# Altium PCB DCAC_V2b.PcbDoc (part 3 of 7) (continued)
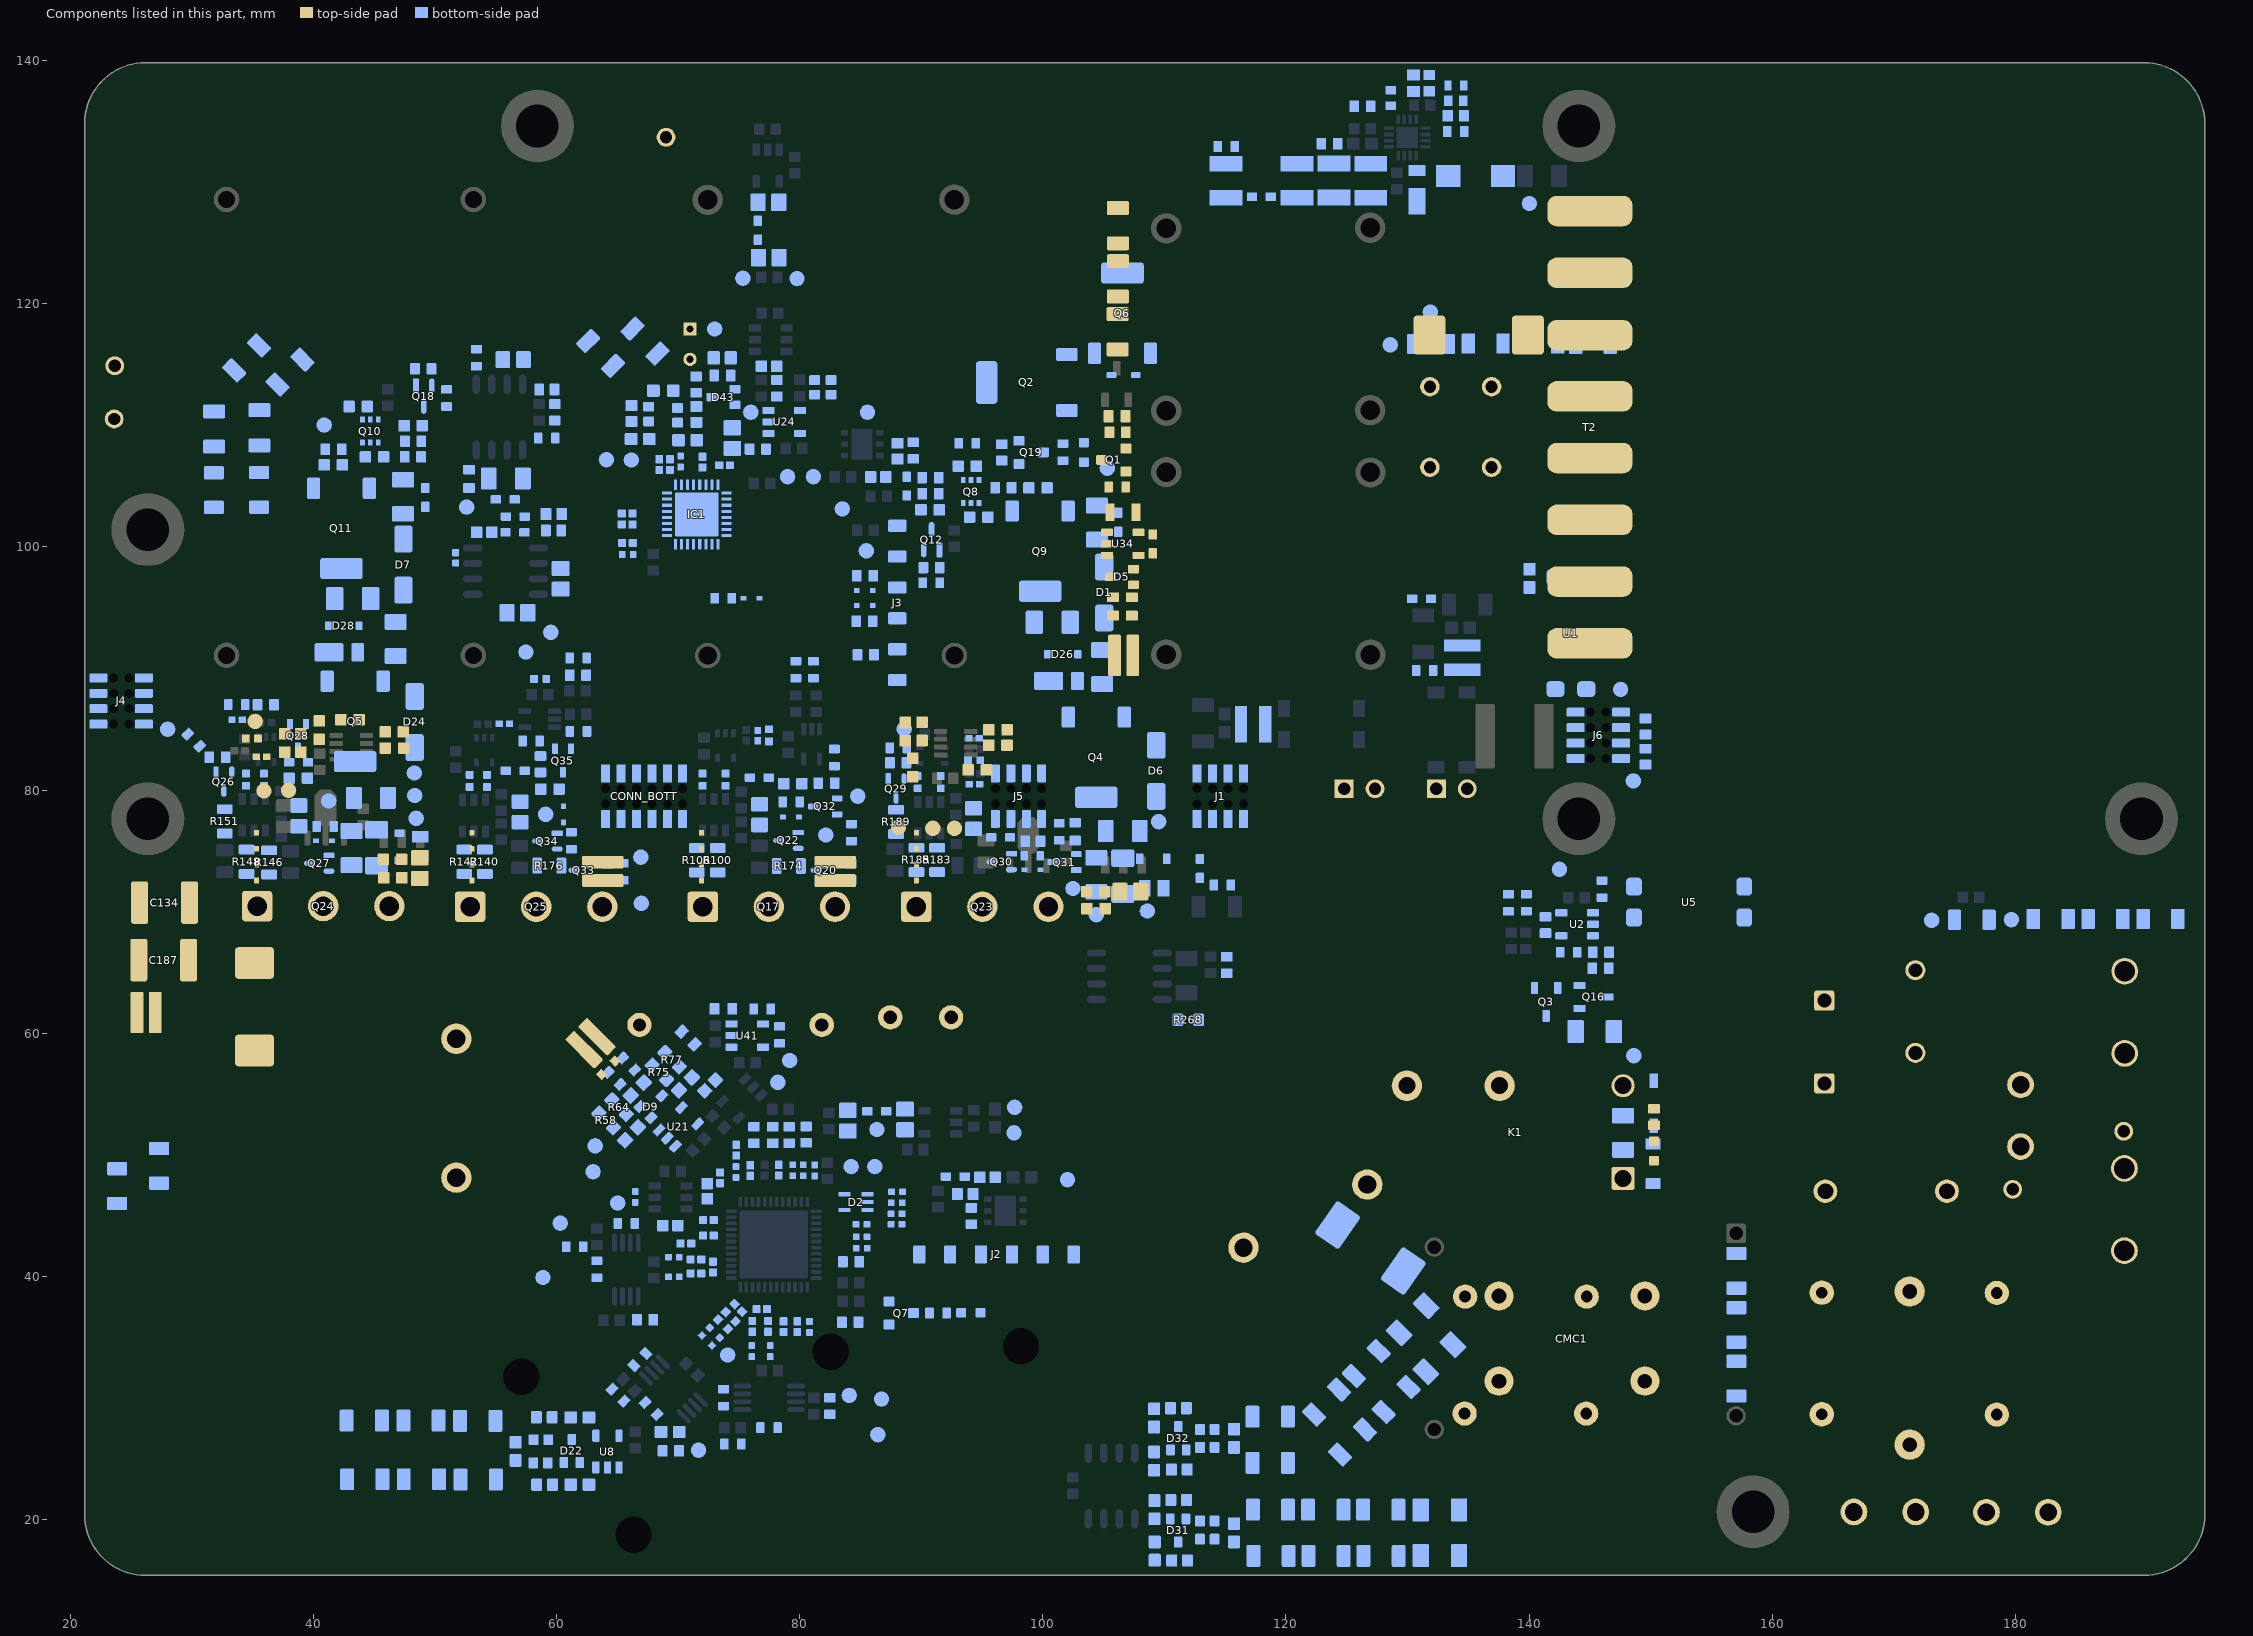
[diagram p5: the components of this part, seen from the top]
## Part data (continued)
L2 L3: library part INDC_150n_1008, "Inductor SMD chip 150nH 1008", Manufacturer 1="TDK Corporation", Manufacturer Part Number 1=NLV25T-R15J-PF, Package / Case="1008 (2520 Metric)", Ratings="500 mA", Supplier Part Number 1=445-1715-1-ND, Tolerance=±5%, SCDType=spec, Supplier 1=Digi-Key
L5 L6: library part CMP-08253-000028-1, "INDUCTORS FOR POWER CIRCUITS, AU"
L7: library part PA4340.333NLT, "Inductor", Manufacturer_Name=Pulse, Mouser Part Number=673-PA4340.333NLT, Arrow Part Number=PA4340.333NLT, Arrow Price/Stock=https://www.arrow.com/en/products/pa4340.333nlt/pulse-electronics-corporation, Datasheet Link=https://www.mouser.com/datasheet/2/336/P767-1526961.pdf, Height=3mm, Manufacturer_Part_Number=PA4340.333NLT, Mouser Price/Stock=https://www.mouser.co.uk/ProductDetail/Pulse-Electronics/PA4340333NLT?qs=%2FzQKu7YvIMbqQ2GtBitM%252Bg%3D%3D
LED2 LED3: library part CMP-1426-00005-1, "SMD mono-color Chip LED, WL-SMCW, Yellow", Case Code (Imperial)=0603, Case Code (Metric)=1608, Color=Yellow, Forward Current=30mA, Forward Voltage=2V, Manufacturer="Wuerth Elektronik", Max Operating Temperature=85°C, Min Operating Temperature=-40°C, Package Quantity=4000, Supplier Part Number 1=732-4981-1-ND, Test Current=20mA, Case/Package=0603, Category=LEDs, ComponentLink1Description="Manufacturer URL", ComponentLink1URL=http://www.we-online.com, ComponentLink2Description=Datasheet, ComponentLink2URL=http://katalog.we-online.com/led/datasheet/150060YS75000.pdf, ComponentLink3Description=https://datasheet.ciiva.com/23843/150060ys75000-23843250.pdf?src-supplier=Newark, ComponentLink3URL=https://datasheet.ciiva.com/23843/150060ys75000-23843250.pdf?src-supplier=Newark, ComponentLink4Description=https://datasheet.ciiva.com/29279/759432-da-01-en-chipled-0603-w-kl-gelb-150060ys75000-29279206.pdf?src-supplier=Conrad, ComponentLink4URL=https://datasheet.ciiva.com/29279/759432-da-01-en-chipled-0603-w-kl-gelb-150060ys75000-29279206.pdf?src-supplier=Conrad, ComponentLink5Description=https://datasheet.ciiva.com/29563/150060ys75000-29563045.pdf?src-supplier=Digi-Key, ComponentLink5URL=https://datasheet.ciiva.com/29563/150060ys75000-29563045.pdf?src-supplier=Digi-Key, ComponentLink6Description=https://datasheet.ciiva.com/22656/1911348-22656951.pdf?src-supplier=Element14, ComponentLink6URL=https://datasheet.ciiva.com/22656/1911348-22656951.pdf?src-supplier=Element14, ComponentLink7Description=https://datasheet.ciiva.com/29563/150060ys75000-29563033.pdf?src-supplier=Digi-Key, ComponentLink7URL=https://datasheet.ciiva.com/29563/150060ys75000-29563033.pdf?src-supplier=Digi-Key, ComponentLink8Description=https://datasheet.ciiva.com/48430/150060ys75000-eng-tds-48430044.pdf?src-supplier=Distrelec, ComponentLink8URL=https://datasheet.ciiva.com/48430/150060ys75000-eng-tds-48430044.pdf?src-supplier=Distrelec, Dominant Wavelength=590nm, Height=0.7mm, Length=1.6mm, Lens Style=Clear,Rectangular, Luminous Intensity=120mcd, Manufacturer Part Number=150060YS75000, Mount="Surface Mount", PackageReference=0603_A, Packaging="Tape and Reel", PartNumber=150060YS75000, Pricing 1="1=0.14000, 50=0.13300, 100=0.11400, 500=0.09900 (USD)", REACH SVHC=Unknown, RoHS=Yes, Stock 1=139, Supplier 1=Digi-Key, Viewing Angle=140°, Wavelength=590nm, Width=0.8mm
NTC4: library part CMP-06022-001050-1, "Thermistor NTC 10kΩ ±1% 2-Pin Radial Bulk", Max Operating Temperature=125°C, Max Power Dissipation=7.5mW, Min Operating Temperature=-40°C, Package Quantity=500, Resistance=10kR, Resistance Tolerance=1%, Height=2mm, Lead Diameter=0.4mm, Lead Free="Lead Free", Lead Pitch=2.5mm, Length=5mm, Mount="Through Hole", Number of Pins=2, Packaging=Bulk, Power Rating=7.5mW, RoHS Compliant=Yes, Series=NXR, Termination=Radial, Tolerance=1%, Width=4mm
NTC5: library part CMP-06022-000443-2, "THERMISTOR NTC", Case Code (Imperial)=0603, Case Code (Metric)=1608, Max Operating Temperature=125°C, Min Operating Temperature=-40°C, Case/Package=0603, REACH SVHC="No SVHC", RoHS Compliant=Yes
PT_SEC1 PT_SEC2: library part CMP-1024-00320-1, "0.025\" SQ Post Header, Through-hole, Right Angle, -55 to 125 degC, 2.54 mm Pitch, 2-Pin, Male, RoHS", Manufacturer=Samtec, Temperature Range="-55 to 125 degC", ComponentLink1Description="Manufacturer URL", ComponentLink1URL=http://www.samtec.com, ComponentLink2Description=Datasheet, ComponentLink2URL=http://www.samtec.com/documents/webfiles/pdf/TSW_TH.PDF, ComponentLink3Description="Package Specification", ComponentLink3URL=http://www.samtec.com/documents/webfiles/cpdf/TSW-XXX-XX-XXX-X-XX-XXX-MKT.pdf, DatasheetVersion=F-214, Mounting Technology=Through-hole, Orientation="Right Angle", PackageDescription=".025[0.64] SQ. Post Terminal Strip Assembly", PackageReference=TSW-102-08-X-S-RA, PackageVersion="DM, 8/1988", PartNumber=TSW-102-08-G-S-RA, Pitch="2.54 mm", RoHS=True
Q1: library part CMP-1048-00631-1, "General Purpose Transistor, NPN Silicon, 3-Pin SOT-23, Pb-Free, Tape and Reel", Manufacturer="On Semiconductor", ComponentLink1Description="Manufacturer URL", ComponentLink1URL=http://www.onsemi.com/, ComponentLink2Description=Datasheet, ComponentLink2URL=http://www.onsemi.cn/pub_link/Collateral/MMBT3904LT1-D.PDF, ComponentLink3Description="Package Specification", ComponentLink3URL=http://www.onsemi.cn/pub_link/Collateral/318-08.PDF, DatasheetVersion="Rev. 12", fT Min (MHz)=300, IC Continuous (A)=0.2, Mounting Technology="Surface Mount", PackageDescription="3-Pin Small Outline Transistor, Body 2.92 x 1.3 mm, Pitch 0.95 mm", PackageReference=SOT-23-3-318-08, PackageVersion="Rev. AP, 11/2009", Packing="Tape and Reel", PartNumber=MMBT3904LT1G, Polarity=NPN, RoHS=TRUE
Q2 Q6: library part ONSC-PNP-B1C2E3C4-4, "High Voltage Transistor, PNP Silicon, 4-Pin SOT-223, Tape and Reel", Manufacturer="On Semiconductor", ComponentLink1Description="Manufacturer URL", ComponentLink1URL=http://www.onsemi.com/, ComponentLink2Description=Datasheet, ComponentLink2URL=http://www.onsemi.com/pub_link/Collateral/PZTA92T1-D.PDF, ComponentLink3Description="Package Specification", ComponentLink3URL=http://www.onsemi.com/pub_link/Collateral/318E-04.PDF, DatasheetVersion="Rev. 10", fT Min (MHz)=50, IC Continuous (A)=-0.5, Mounting Technology="Surface Mount", PackageDescription="4-Pin Small Outline Transistor, Body 6.5 x 3.5 mm, Pitch 2.3 mm", PackageReference=SOT-223-4-318E-04, PackageVersion="Rev. N, 08/2009", Packing="Tape and Reel", PartNumber=PZTA92T1, Polarity=PNP, RoHS=FALSE
Q3: library part CMP-0434-00001-1, "N-Channel Enhancement Mode Field Effect Transistor, 60 V, 0.115 A, -55 to 150 degC, 3-Pin SOT23, RoHS, Tape and Reel", JLCPCB Part #=C8545, Manufacturer=STMicroelectronics, ComponentLink1Description="Manufacturer URL", ComponentLink1URL=http://www.st.com/, ComponentLink2Description=Datasheet, ComponentLink2URL=http://www.st.com/st-web-ui/static/active/en/resource/technical/document/datasheet/CD00005134.pdf, DatasheetVersion="Rev. 9, 11/2008", Mounting Technology="Surface Mount", PackageDescription="3-Pin SOT23, 3.016 x 2.8 mm Body, 0.95 mm Pitch", PackageReference=SOT-23, PartNumber=2N7002
Q4 Q5 Q9 Q11: library part "NXP MOSFET N-CH SOT-223", "CoolMOS P7 Power Transistor MOSFET 700V 3A 3-Pin PG-SOT223 T/R", Case/Package=SOT-223, Manufacturer=Infineon, Manufacturer Part Number=IPN70R2K0P7SATMA1, Max Operating Temperature=150°C, Min Operating Temperature=-40°C, Supplier Part Number 1=IPN70R2K0P7SATMA1CT-ND, Category="Power Management ICs", ComponentLink1Description=https://www.infineon.com/dgdl/Infineon-IPN70R2K0P7S-DS-v02_00-EN.pdf?fileId=5546d4625f2e26bc015f526712fe6b76&src-supplier=Digi-Key, ComponentLink1URL=https://www.infineon.com/dgdl/Infineon-IPN70R2K0P7S-DS-v02_00-EN.pdf?fileId=5546d4625f2e26bc015f526712fe6b76&src-supplier=Digi-Key, Drain to Source Voltage (Vdss)=700V, Halogen Free="Halogen Free", Lead Free="Contains Lead", Max Dual Supply Voltage=700V, Mount="Surface Mount", Pricing 1="1=0.51000, 10=0.44000, 25=0.41080, 100=0.30520, 500=0.23832, 1000=0.19371 (USD)", RoHS=No, Stock 1=2627, Supplier 1=Digi-Key
Q7 Q19: library part NEMOS-GSD-3, "N-Channel Enhancement Mode Field Effect Transistor, 60 V, 0.115 A, -55 to 150 degC, 3-Pin SOT23, RoHS, Tape and Reel", Id - Continuous Drain Current=115mA, JLCPCB Part #=C8545, Manufacturer=DiodesIncorporated, Maximum Operating Temperature=+150C, Minimum Operating Temperature=-55C, Package / Case=SOT-23-3, Package Description="3-Pin Small Outline Transistor, Body 2.9 x 1.3 mm, Pitch 0.96 mm", Package Reference=SOT23-3, Pd - Power Dissipation=300mW, Rds On - Drain-Source Resistance=7.5Ohms, Vds - Drain-Source Breakdown Voltage=70V, Vgs - Gate-Source Voltage=20V, Brand=DiodesIncorporated, Channel Mode=Enhancement, Configuration=Single, Datasheet URL=http://datasheet.octopart.com/2N7002-7-F-Diodes-Inc.-datasheet-8326113.pdf, Datasheet Version="Rev. 21-2, 02/2009", Factory Pack Quantity=3000, Fall Time=5.6ns, Forward Transconductance - Min=0.08S, Height=1mm, Length=2.9mm, Manufacturer URL=http://www.diodes.com/, Mounting Style=SMD/SMT, Number of Channels=1Channel, Packaging=Reel, Product=MOSFETSmallSignal, Product Category=MOSFET, Rise Time=3ns, RoHS=True, Series=2N7002, Technology=Si, Transistor Polarity=N-Channel, Transistor Type=1N-Channel, Type=EnhancementModeFieldEffectTransistor, Typical Turn-Off Delay Time=11ns, Typical Turn-On Delay Time=7ns, Unit Weight=0.000282oz, Width=1.3mm
Q8 Q10: library part CMP-1048-00392-1, "Complementary General Purpose Transistors, 6-Pin SC70, Pb-Free, Tape and Reel", Manufacturer="On Semiconductor", ComponentLink1Description="Manufacturer URL", ComponentLink1URL=http://www.onsemi.com/, ComponentLink2Description=Datasheet, ComponentLink2URL=http://www.onsemi.com/pub_link/Collateral/MBT3946DW1T1-D.PDF, ComponentLink3Description="Package Specification", ComponentLink3URL=http://www.onsemi.com/pub_link/Collateral/SMF05C-D.PDF, DatasheetVersion="Rev. 7", IC Continuous (A)=0.2, Mounting Technology="Surface Mount", PackageDescription="6-Pin Small Outline Transistor, Body 2 x 1.25 mm, Pitch 0.65 mm", PackageReference=SC70-6-419B-02_W, PackageVersion="Rev. W", Packing="Tape and Reel", PartNumber=MBT3946DW1T2G, Polarity=Complementary, RoHS=TRUE
Q12 Q18 Q20 Q22 Q26 Q27 Q29 Q30 Q33 Q34: library part CMP-2000-05568-2, "MOSFET N-CH 60V 115MA SOT323", Case/Package=SOT-323, Continuous Drain Current (ID)=115mA, Drain to Source Breakdown Voltage=70V, Drain to Source Resistance=2.6R, Drain to Source Voltage (Vdss)=60V, Gate to Source Voltage (Vgs)=20V, Input Capacitance=50pF, Max Operating Temperature=150°C, Max Power Dissipation=200mW, Min Operating Temperature=-55°C, On-State Resistance=7.5R, Package Quantity=1, Threshold Voltage=2V, Contact Plating=Tin, Current Rating=115mA, Dual Supply Voltage=60V, Element Configuration=Single, Height=1mm, Lead Free="Lead Free", Length=2.2mm, Mount="Surface Mount", Nominal Vgs=2V, Number of Channels=1, Number of Elements=1, Number of Pins=3, Packaging="Tape and Reel", Power Dissipation=200mW, Radiation Hardening=No, Rds On Max=7.5R, REACH SVHC="No SVHC", Termination=SMD/SMT, Turn-Off Delay Time=11ns, Turn-On Delay Time=7ns, Voltage Rating (DC)=60V, Weight=0.000212oz, Width=1.35mm
Q16: library part STM-NEMOS-G1S2D3-3, "N-Channel Enhancement Mode Field Effect Transistor, 60 V, 0.115 A, -55 to 150 degC, 3-Pin SOT23, RoHS, Tape and Reel", JLCPCB Part #=C8545, Manufacturer=STMicroelectronics, ComponentLink1Description="Manufacturer URL", ComponentLink1URL=http://www.st.com/, ComponentLink2Description=Datasheet, ComponentLink2URL=http://www.st.com/st-web-ui/static/active/en/resource/technical/document/datasheet/CD00005134.pdf, DatasheetVersion="Rev. 9, 11/2008", Mounting Technology="Surface Mount", PackageDescription="3-Pin SOT23, 3.016 x 2.8 mm Body, 0.95 mm Pitch", PackageReference=SOT-23, PartNumber=2N7002
Q17 Q23: library part CMP-1166-00047-1, "600 V IGBT in TrenchStop and Fieldstop Technology with Soft, Fast Recovery Anti-Parallel EmCon HE Diode, 80 A IC, -40 to 175 degC, PG-TO247-3, Tube, Green", Case/Package=TO-247, Collector Emitter Breakdown Voltage=650V, Manufacturer=Infineon, Manufacturer Part Number=IKW30N65EL5XKSA1, Max Collector Current=85A, Max Operating Temperature=175°C, Max Power Dissipation=227W, Min Operating Temperature=-40°C, Supplier Part Number 1=IKW30N65EL5XKSA1IN-ND, Switching Frequency=50Hz, Collector Emitter Voltage (VCEO)=650V, ComponentLink1Description=http://www.mouser.com/ds/2/196/Infineon-IKW30N65EL5-DS-v02_01-EN-534334.pdf?src-supplier=Mouser, ComponentLink1URL=http://www.mouser.com/ds/2/196/Infineon-IKW30N65EL5-DS-v02_01-EN-534334.pdf?src-supplier=Mouser, ComponentLink2Description=http://www.infineon.com/dgdl/Infineon-IKW30N65EL5-DS-v02_01-EN.pdf?fileId=5546d4624b0b249c014b11cd5d3c3acb&src-supplier=Digi-Key, ComponentLink2URL=http://www.infineon.com/dgdl/Infineon-IKW30N65EL5-DS-v02_01-EN.pdf?fileId=5546d4624b0b249c014b11cd5d3c3acb&src-supplier=Digi-Key, ComponentLink3Description=http://www.infineon.com/dgdl/Infineon-IKW30N65EL5-DS-v02_01-EN.pdf?fileId=5546d4624b0b249c014b11cd5d3c3acb&src-supplier=Avnet, ComponentLink3URL=http://www.infineon.com/dgdl/Infineon-IKW30N65EL5-DS-v02_01-EN.pdf?fileId=5546d4624b0b249c014b11cd5d3c3acb&src-supplier=Avnet, Element Configuration=Single, Halogen Free="Halogen Free", Lead Free="Lead Free", Mount="Through Hole", Number of Pins=3, Packaging=Rail/Tube, Pricing 1="1=5,78000, 10=5,19000, 100=4,25220, 500=3,61986, 1000=3,05290 (USD)", Reverse Recovery Time=100ns, RoHS=Yes, Stock 1=503, Supplier 1=Digi-Key
Q24 Q25: library part CMP-2000-06042-1, "Silicon Carbide Power MOSFET C2M(TM) MOSFET Technology, 1200 V, 90 A, -55 to 150 degC, 3-Pin TO-247, RoHS, Tube", Id - Continuous Drain Current=90A, Manufacturer=Cree,Inc., Maximum Operating Temperature=+150C, Minimum Operating Temperature=-55C, Package / Case=TO-247-3, Package Description="3-Pin Flange Mount, Vertical Straight Lead, Body 15.94 x 5.02 mm, Pitch 5.44 mm", Pd - Power Dissipation=463W, Rds On - Drain-Source Resistance=25mOhms, Vds - Drain-Source Breakdown Voltage=1200V, Vgs - Gate-Source Voltage=-10V,+25V, Vgs th - Gate-Source Threshold Voltage=2.4V, Brand=Cree,Inc., Channel Mode=Enhancement, Configuration=Single, Datasheet URL=http://www.wolfspeed.com/media/downloads/161/C2M0025120D.pdf, Datasheet Version="Rev. B, 10/2015", Factory Pack Quantity=30, Fall Time=28.4ns, Forward Transconductance - Min=23.6S, Height=21.1mm, Id=90A, Length=5.21mm, Manufacturer URL=http://www.cree.com/, Mounting Style=ThroughHole, Mounting Technology=ThroughHole, Number of Channels=1Channel, Package Reference=TO-247-3, Packaging=Tube, Product=PowerMOSFET, Product Category=MOSFET, Qg - Gate Charge=406nC, RDS(on)=0.025Ohm, Rise Time=31.6ns, RoHS=True, Technology=SiC, Transistor Polarity=N-Channel, Transistor Type=1N-Channel, Trr=32ns, Type=SiliconCarbidePowerMOSFET, Typical Turn-Off Delay Time=28.8ns, Typical Turn-On Delay Time=14.4ns, Unit Weight=1.340411oz, Vdss=1200V, Vgss=20V, Vth=2.6V, Width=16.13mm
Q28 Q31 Q32 Q35: library part CMP-1259-00109-1, "N-Channel Trench MOSFET, 60 V, 0.32 A, -55 to 150 degC, 3-Pin SOT323, Tape and Reel", Manufacturer="NXP Semiconductors", PartNumber=BSS138PW,115, Automotive Qualified=Y, Channel Type=N, Code_JEITA=SC-70, ComponentLink1Description="Manufacturer URL", ComponentLink1URL=http://www.nxp.com/, ComponentLink2Description=Datasheet, ComponentLink2URL=http://www.nxp.com/documents/data_sheet/BSS138PW.pdf, ComponentLink3Description="Package Specification", ComponentLink3URL=http://www.nxp.com/documents/outline_drawing/sot323_po.pdf, DatasheetVersion="Rev. 1", ID [max] (A)=0.32, IDM [max] (A)=1.2, Mounting Technology="Surface Mount", PackageDescription="3-Pin Small Outline Transistor Package, Body 2 x 1.25 mm, Pitch 0.65 mm", PackageReference=SOT323, PackageVersion="06-03-16, 03/2006", Packing="Tape & Reel", VDS [max] (V)=60, VGSth [typ] (V)=1.2
R1: library part CMP-2100-03667-1, "±1% 0Ω 0.1W 0603 Chip Resistor - Surface Mount ROHS", Case Code (Imperial)=0603, Case Code (Metric)=1608, JLCPCB Part #=C21189, Manufacturer=Yageo, Manufacturer Part Number=RC0603JR-070RL, Max Operating Temperature=155degC, Max Power Dissipation=100mW, Min Operating Temperature=-55degC, Package Description="2-Pin Surface Mount Device, Body 1.6 x 0.8 mm", Package Quantity=5000, Resistance=0mOhm, Resistance Tolerance=5%, Resistor Type="Thick Film", Supplier Part Number 1=311-0.0GRCT-ND, Temperature coefficient=200ppm/degreesC, Voltage Rating=50V, Case/Package=0603, Category="Chip SMD Resistors", ComponentLink1Description=https://datasheet.ciiva.com/11808/pyu-r-int-6-11808700.pdf?src-supplier=RSComponents, ComponentLink1URL=https://datasheet.ciiva.com/11808/pyu-r-int-6-11808700.pdf?src-supplier=RSComponents, ComponentLink2Description=https://datasheet.ciiva.com/22747/443971-22747530.pdf?src-supplier=Element14, ComponentLink2URL=https://datasheet.ciiva.com/22747/443971-22747530.pdf?src-supplier=Element14, ComponentLink3Description=https://datasheet.ciiva.com/12555/rc0603-272842-12555254.pdf?src-supplier=Mouser, ComponentLink3URL=https://datasheet.ciiva.com/12555/rc0603-272842-12555254.pdf?src-supplier=Mouser, ComponentLink4Description=https://datasheet.ciiva.com/7746/1738695-7746421.pdf?src-supplier=Element14, ComponentLink4URL=https://datasheet.ciiva.com/7746/1738695-7746421.pdf?src-supplier=Element14, ComponentLink5Description=https://datasheet.ciiva.com/7746/1738695-7746422.pdf?src-supplier=Element14, ComponentLink5URL=https://datasheet.ciiva.com/7746/1738695-7746422.pdf?src-supplier=Element14, ComponentLink6Description=https://datasheet.ciiva.com/8883/pyu-rc0603-51-rohs-l-4-8883045.pdf?src-supplier=Avnet, ComponentLink6URL=https://datasheet.ciiva.com/8883/pyu-rc0603-51-rohs-l-4-8883045.pdf?src-supplier=Avnet, ComponentLink7Description=https://datasheet.ciiva.com/15189/getdatasheetpartid-329462-15189845.pdf?src-supplier=Verical, ComponentLink7URL=https://datasheet.ciiva.com/15189/getdatasheetpartid-329462-15189845.pdf?src-supplier=Verical, Composition=ThickFilm, Construction=Rectangular, Contact Plating=Tin, Datasheet URL=http://www.yageo.com/NewPortal/yageodocoutput?fileName=/pdf/R-Chip/PYu-RC_Group_51_RoHS_L_5.pdf, Datasheet Version="Rev. 5, 10/2016", Depth=0.8mm, Features="Moisture Resistant", Height=0.45mm, Lead Free=LeadFree, Length=1.6mm, Manufacturer URL=http://www.yageo.com/, Military Standard=Not, Number of Pins=2, Number of Terminations=2, Package Reference=0603, Packaging=TapeandReel, Power Rating=100mW, Pricing 1="1=0.10000, 10=0.01700, 25=0.01240, 50=0.00940, 100=0.00700, 250=0.00532, 500=0.00424, 1000=0.00313 (USD)", Radiation Hardening=No, REACH SVHC=NoSVHC, RoHS=Yes, RoHS Compliant=Yes, RoHSCompliant=true, Series=RC, Size Code=0603, Stock 1=4763183, Supplier 1=Digi-Key, Technology="THICK FILM", Termination=SMD/SMT, Tolerance=5%, Voltage Rating (DC)=50V, Width=0.8mm
R2: library part CMP-2003-00835-1, "±1% 100kΩ ±100ppm/℃ 0.25W 1206 Chip Resistor - Surface Mount ROHS", Case Code (Imperial)=1206, Case Code (Metric)=3216, Manufacturer=Panasonic, Manufacturer Part Number=ERJ-8ENF3302V, Max Operating Temperature=155°C, Max Power Dissipation=250mW, Min Operating Temperature=-55°C, Part Number=ERJ8ENF3302V, Resistance=33kR, Resistance Tolerance=1%, Resistor Type="Thick Film", Supplier Part Number 1=73AC7929, Temperature coefficient=100ppm/°C, Voltage Rating=200V, Case/Package=1206, Category="Chip SMD Resistors", ComponentLink1Description=https://datasheet.ciiva.com/7802/1678782-7802698.pdf?src-supplier=Element14, ComponentLink1URL=https://datasheet.ciiva.com/7802/1678782-7802698.pdf?src-supplier=Element14, ComponentLink2Description=https://datasheet.ciiva.com/22687/1678782-22687084.pdf?src-supplier=Element14, ComponentLink2URL=https://datasheet.ciiva.com/22687/1678782-22687084.pdf?src-supplier=Element14, ComponentLink3Description=https://datasheet.ciiva.com/9190/aoa0000ce2-9190686.pdf?src-supplier=Avnet, ComponentLink3URL=https://datasheet.ciiva.com/9190/aoa0000ce2-9190686.pdf?src-supplier=Avnet, ComponentLink4Description=https://datasheet.ciiva.com/7802/426256-7802463.pdf?src-supplier=Element14, ComponentLink4URL=https://datasheet.ciiva.com/7802/426256-7802463.pdf?src-supplier=Element14, ComponentLink5Description=https://datasheet.ciiva.com/16758/70260748-16758335.pdf?src-supplier=Allied+Electronics, ComponentLink5URL=https://datasheet.ciiva.com/16758/70260748-16758335.pdf?src-supplier=Allied+Electronics, ComponentLink6Description=https://datasheet.ciiva.com/24168/aoa0000ce2-24168303.pdf?src-supplier=Mouser, ComponentLink6URL=https://datasheet.ciiva.com/24168/aoa0000ce2-24168303.pdf?src-supplier=Mouser, ComponentLink7Description=https://datasheet.ciiva.com/30215/aoa0000ce2-30215919.pdf?src-supplier=Onlinecomponents.com, ComponentLink7URL=https://datasheet.ciiva.com/30215/aoa0000ce2-30215919.pdf?src-supplier=Onlinecomponents.com, ComponentLink8Description=https://datasheet.ciiva.com/46436/1678782-46436639.pdf?src-supplier=Element14, ComponentLink8URL=https://datasheet.ciiva.com/46436/1678782-46436639.pdf?src-supplier=Element14, Construction=Rectangular, Contact Plating=Tin, Depth=1.6mm, Height=0.6mm, Length=3.2mm, Military Standard=Not, Mount="Surface Mount", Number of Pins=2, Number of Terminations=2, Packaging="Tape and Reel", Power Rating=250mW, Pricing 1="5000=0.01400, 10000=0.01300 (USD)", Radiation Hardening=No, REACH SVHC="No SVHC", RoHS=Yes, RoHS Compliant=Yes, Series=ERJ, Stock 1=95000, Supplier 1=Newark, Technology="THICK FILM", Termination=SMD/SMT, Tolerance=1%, Weight=0.000571oz, Width=0.063inch
R3 R13: library part CMP-1666-00005-4, "±1% ±100ppm/℃ 10kΩ 0.1W 0603 Chip Resistor - Surface Mount ROHS", Case Code (Imperial)=0603, Case Code (Metric)=1608, JLCPCB Part #=C25804, Manufacturer="Vishay Semiconductor", Manufacturer Part Number=CRCW060310K0FKEA, Max Operating Temperature="155 degC", Max Power Dissipation=100mW, Min Operating Temperature="-55 degC", Package Quantity=5000, Resistance=10kR, Resistance Tolerance=1%, Resistor Type="Thick Film", Supplier Part Number 1=8926099, Temperature coefficient=100ppm/°C, Voltage Rating="75 V", Voltage Rating (DC)=75V, Case/Package=0603, Category="Chip SMD Resistors", ComponentLink1Description="Manufacturer URL", ComponentLink1URL=http://www.vishay.com/, ComponentLink2Description=Datasheet, ComponentLink2URL=https://datasheet.ciiva.com/11809/0900766b80d98afc-11809037.pdf, ComponentLink3Description=https://datasheet.ciiva.com/11809/0900766b80d98afc-11809037.pdf?src-supplier=RSComponents, ComponentLink3URL=https://datasheet.ciiva.com/11809/0900766b80d98afc-11809037.pdf?src-supplier=RSComponents, ComponentLink4Description=https://datasheet.ciiva.com/16886/dcrcw-16886037.pdf?src-supplier=Avnet+Europe, ComponentLink4URL=https://datasheet.ciiva.com/16886/dcrcw-16886037.pdf?src-supplier=Avnet+Europe, ComponentLink5Description=https://datasheet.ciiva.com/26821/getdatasheetpartid-86831-26821109.pdf?src-supplier=Verical, ComponentLink5URL=https://datasheet.ciiva.com/26821/getdatasheetpartid-86831-26821109.pdf?src-supplier=Verical, ComponentLink6Description=https://datasheet.ciiva.com/16754/70201119-16754710.pdf?src-supplier=Allied+Electronics, ComponentLink6URL=https://datasheet.ciiva.com/16754/70201119-16754710.pdf?src-supplier=Allied+Electronics, ComponentLink7Description=https://datasheet.ciiva.com/16719/70201119-16719704.pdf?src-supplier=Allied+Electronics, ComponentLink7URL=https://datasheet.ciiva.com/16719/70201119-16719704.pdf?src-supplier=Allied+Electronics, ComponentLink8Description=https://datasheet.ciiva.com/2465/dcrcwe3-2465513.pdf?src-supplier=Digi-Key, ComponentLink8URL=https://datasheet.ciiva.com/2465/dcrcwe3-2465513.pdf?src-supplier=Digi-Key, ComponentLink9Description=https://datasheet.ciiva.com/5543/dcrcwe3-109170-5543001.pdf?src-supplier=Mouser, ComponentLink9URL=https://datasheet.ciiva.com/5543/dcrcwe3-109170-5543001.pdf?src-supplier=Mouser, ComponentLink10Description=https://datasheet.ciiva.com/2465/dcrcwe3-2465514.pdf?src-supplier=Digi-Key, ComponentLink10URL=https://datasheet.ciiva.com/2465/dcrcwe3-2465514.pdf?src-supplier=Digi-Key, ComponentLink11Description=https://datasheet.ciiva.com/46385/1697337-46385498.pdf?src-supplier=Element14, ComponentLink11URL=https://datasheet.ciiva.com/46385/1697337-46385498.pdf?src-supplier=Element14, ComponentLink12Description=https://datasheet.ciiva.com/2465/dcrcwe3-2465515.pdf?src-supplier=Digi-Key, ComponentLink12URL=https://datasheet.ciiva.com/2465/dcrcwe3-2465515.pdf?src-supplier=Digi-Key, ComponentLink13Description=https://datasheet.ciiva.com/3256/dcrcwe3-3256939.pdf?src-supplier=Avnet, ComponentLink13URL=https://datasheet.ciiva.com/3256/dcrcwe3-3256939.pdf?src-supplier=Avnet, ComponentLink14Description=https://datasheet.ciiva.com/3256/dcrcwe3-3256940.pdf?src-supplier=Avnet, ComponentLink14URL=https://datasheet.ciiva.com/3256/dcrcwe3-3256940.pdf?src-supplier=Avnet, ComponentLink15Description=https://datasheet.ciiva.com/16209/dcrcwe3-16209164.pdf?src-supplier=Future+Electronics, ComponentLink15URL=https://datasheet.ciiva.com/16209/dcrcwe3-16209164.pdf?src-supplier=Future+Electronics, ComponentLink16Description=https://datasheet.ciiva.com/26314/fld-crcw-e3-data-en-26314749.pdf?src-supplier=Distrelec, ComponentLink16URL=https://datasheet.ciiva.com/26314/fld-crcw-e3-data-en-26314749.pdf?src-supplier=Distrelec, Construction=Rectangular, Contact Plating=Tin,Lead, DatasheetVersion=06/2012, Depth=0.85mm, Features="Automotive AEC-Q200", Height="0.45 mm", Lead Free="Lead Free", Length="1.55 mm", Military Standard=Not, Mounting Technology="Surface Mount", Number of Pins=2, Number of Terminations=2, PackageDescription="2-Pin Surface Mount Device, Body 1.575 x 0.85 mm", PackageReference=0603, Packaging="Tape and Reel", Power Rating=100mW, Pricing 1="5000=0.00790 (USD)", Radiation Hardening=No, REACH SVHC=Unknown, RoHS=Yes, RoHS Compliant=Yes, RoHSCompliant=true, Series=CRCW, Size Code=0603, Stock 1=2665000, Supplier 1="Future Electronics", Technology="THICK FILM", Termination=SMD/SMT, Tolerance=1%, Weight=7.1E-05oz, Width=0.033inch
R4 R238: library part RES, "±1% 4.7kΩ ±100ppm/℃ 0.1W 0603 Chip Resistor - Surface Mount ROHS", JLCPCB Part #=C23162, Manufacturer=Panasonic, Part Number=ERJ-3EKF1602V
R5 R12 R20 R26 R27: library part CMP-2003-00835-1, "PANASONIC ELECTRONIC COMPONENTS         ERJ8ENF3302V            Surface Mount Chip Resistor, Thick Film, AEC-Q200 ERJ8E Series, 33 kohm, 250 mW,  1%, 200 V", Case Code (Imperial)=1206, Case Code (Metric)=3216, Manufacturer=Panasonic, Manufacturer Part Number=ERJ-8ENF3302V, Max Operating Temperature=155°C, Max Power Dissipation=250mW, Min Operating Temperature=-55°C, Part Number=ERJ8ENF3302V, Resistance=33kR, Resistance Tolerance=1%, Resistor Type="Thick Film", Supplier Part Number 1=73AC7929, Temperature coefficient=100ppm/°C, Voltage Rating=200V, Case/Package=1206, Category="Chip SMD Resistors", ComponentLink1Description=https://datasheet.ciiva.com/7802/1678782-7802698.pdf?src-supplier=Element14, ComponentLink1URL=https://datasheet.ciiva.com/7802/1678782-7802698.pdf?src-supplier=Element14, ComponentLink2Description=https://datasheet.ciiva.com/22687/1678782-22687084.pdf?src-supplier=Element14, ComponentLink2URL=https://datasheet.ciiva.com/22687/1678782-22687084.pdf?src-supplier=Element14, ComponentLink3Description=https://datasheet.ciiva.com/9190/aoa0000ce2-9190686.pdf?src-supplier=Avnet, ComponentLink3URL=https://datasheet.ciiva.com/9190/aoa0000ce2-9190686.pdf?src-supplier=Avnet, ComponentLink4Description=https://datasheet.ciiva.com/7802/426256-7802463.pdf?src-supplier=Element14, ComponentLink4URL=https://datasheet.ciiva.com/7802/426256-7802463.pdf?src-supplier=Element14, ComponentLink5Description=https://datasheet.ciiva.com/16758/70260748-16758335.pdf?src-supplier=Allied+Electronics, ComponentLink5URL=https://datasheet.ciiva.com/16758/70260748-16758335.pdf?src-supplier=Allied+Electronics, ComponentLink6Description=https://datasheet.ciiva.com/24168/aoa0000ce2-24168303.pdf?src-supplier=Mouser, ComponentLink6URL=https://datasheet.ciiva.com/24168/aoa0000ce2-24168303.pdf?src-supplier=Mouser, ComponentLink7Description=https://datasheet.ciiva.com/30215/aoa0000ce2-30215919.pdf?src-supplier=Onlinecomponents.com, ComponentLink7URL=https://datasheet.ciiva.com/30215/aoa0000ce2-30215919.pdf?src-supplier=Onlinecomponents.com, ComponentLink8Description=https://datasheet.ciiva.com/46436/1678782-46436639.pdf?src-supplier=Element14, ComponentLink8URL=https://datasheet.ciiva.com/46436/1678782-46436639.pdf?src-supplier=Element14, Construction=Rectangular, Contact Plating=Tin, Depth=1.6mm, Height=0.6mm, Length=3.2mm, Military Standard=Not, Mount="Surface Mount", Number of Pins=2, Number of Terminations=2, Packaging="Tape and Reel", Power Rating=250mW, Pricing 1="5000=0.01400, 10000=0.01300 (USD)", Radiation Hardening=No, REACH SVHC="No SVHC", RoHS=Yes, RoHS Compliant=Yes, Series=ERJ, Stock 1=95000, Supplier 1=Newark, Technology="THICK FILM", Termination=SMD/SMT, Tolerance=1%, Weight=0.000571oz, Width=0.063inch